# EAGLE board Mk4 Final a Panel score 2x5 (EAGLE 9.0.1), part 25 of 29
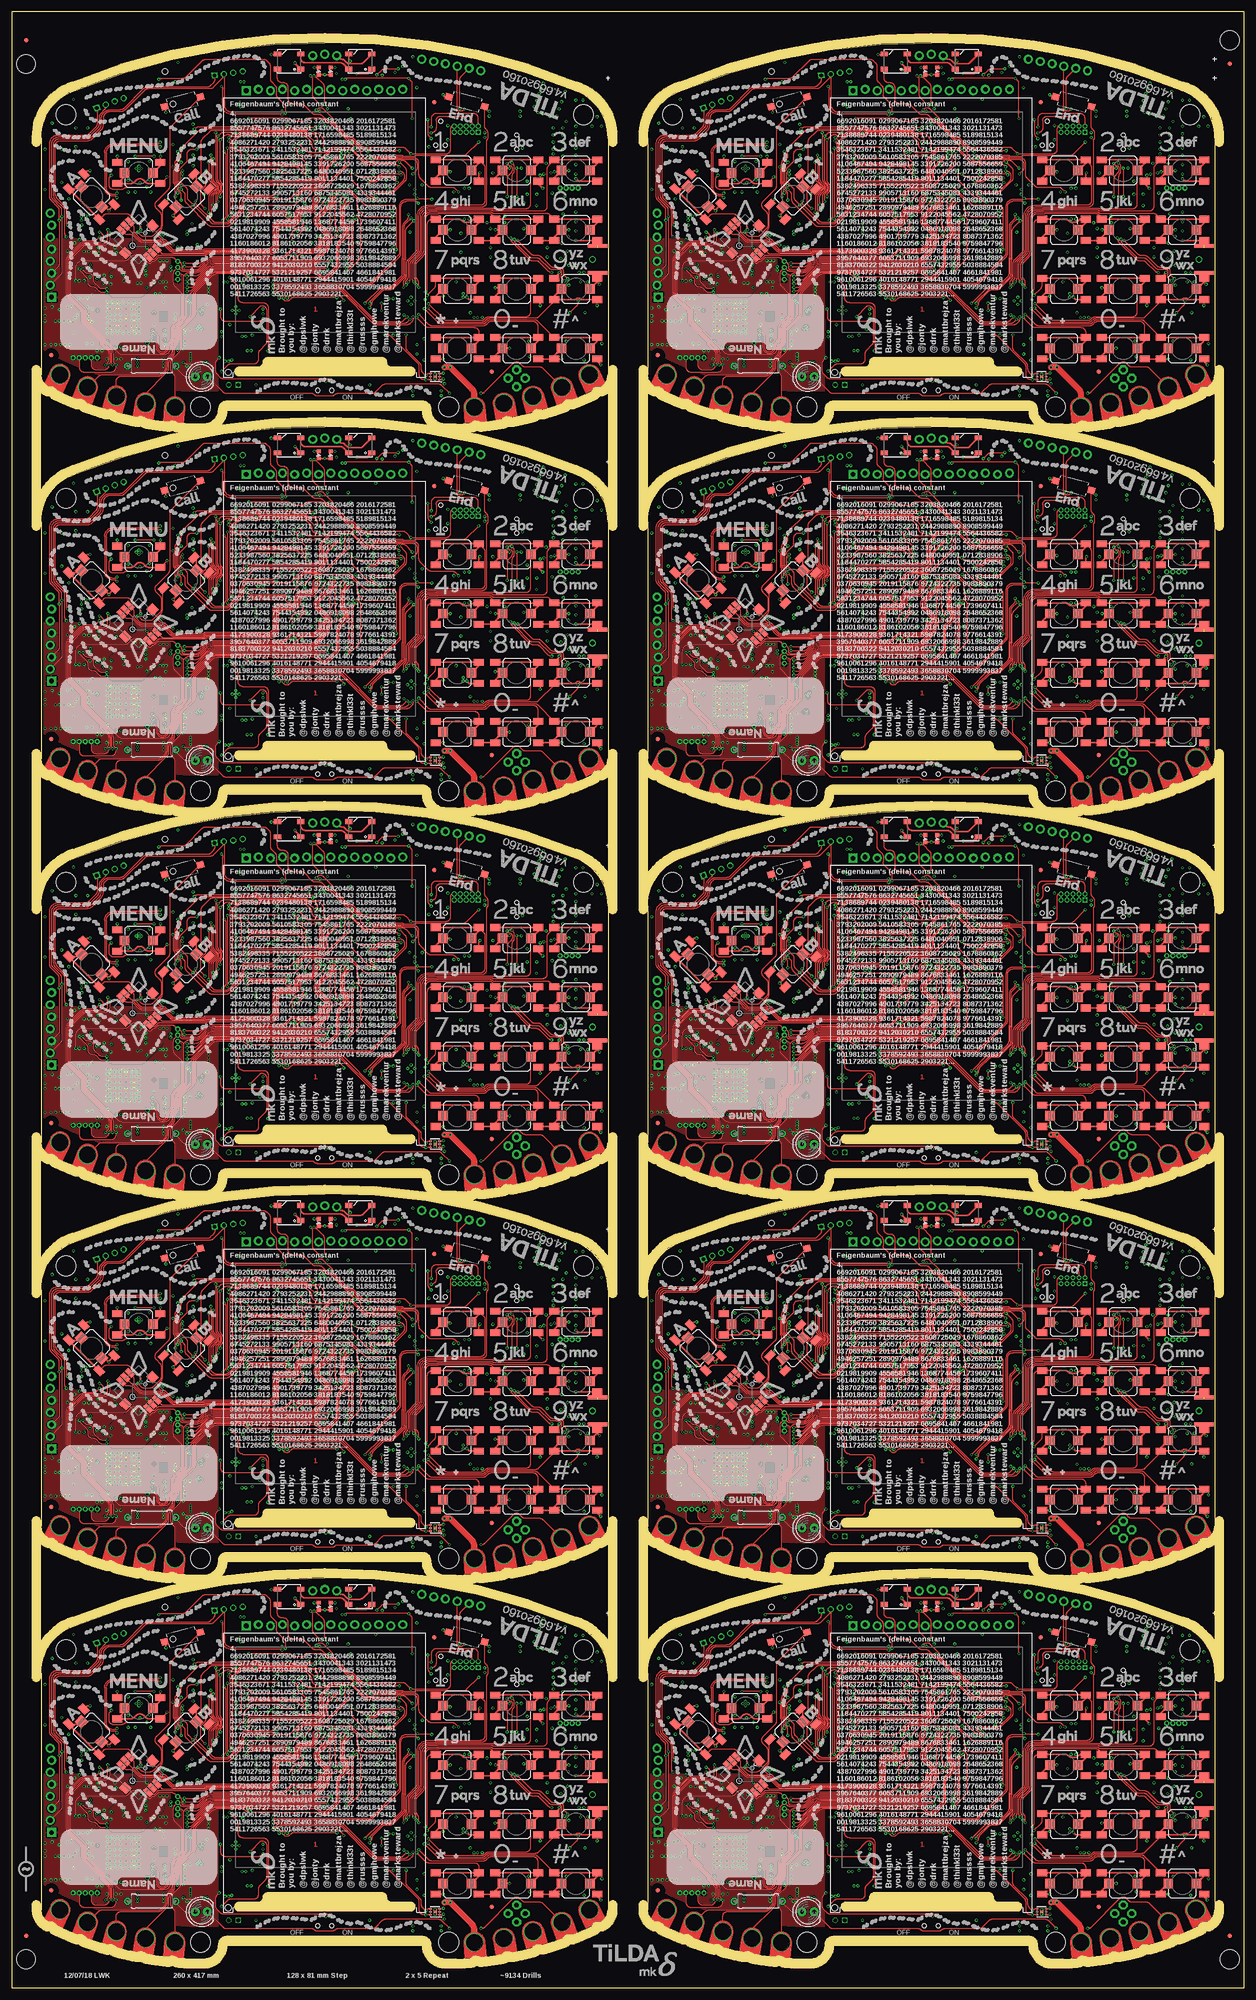
[diagram p0: board, top side]
## Tracks (layer width: path | path; a pad name or v marks a point on that pad's centre or on a via) (continued)
SSI2_CC_MOSI3  (via drill 0.3) (continued)
  Top 0.15: v165,116.6 166.45,116.6 169.47,119.61 arc-45 170.88,120.2 193.89,120.2 arc45 v194.59,120.49 v194.6,120.5 | v200,131 200.5,131 arc-90 201.5,130 201.5,122.31 arc-45 201.21,121.61 v198.6,119
  Bottom 0.15: IC65.6 152.75,104.91 arc45 153.04,104.21 154.23,103.02 arc45 155.12,102.65 158.75,102.65 158.78,102.62 160.4,102.62 arc90 161.4,103.62 161.4,105.45 arc-45 161.84,106.51 163.26,107.94 arc45 163.7,109 163.7,114.89 arc-45 163.99,115.59 v165,116.6 | IC56.2 199.8,131.48 arc45 v200,131 | v194.6,120.5 arc90 194,119.9 arc90 194.9,119 v198.6,119
SSI2_CC_MOSI4  (via drill 0.3)
  Top 0.15: v37,197.6 38.45,197.6 41.47,200.61 arc-45 42.88,201.2 65.89,201.2 arc45 v66.59,201.49 v66.6,201.5 | v72,212 72.5,212 arc-90 73.5,211 73.5,203.31 arc-45 73.21,202.61 v70.6,200
  Bottom 0.15: IC83.6 24.75,185.91 arc45 25.04,185.21 26.23,184.02 arc45 27.12,183.65 30.75,183.65 30.78,183.62 32.4,183.62 arc90 33.4,184.62 33.4,186.45 arc-45 33.84,187.51 35.26,188.94 arc45 35.7,190 35.7,195.89 arc-45 35.99,196.59 v37,197.6 | IC74.2 71.8,212.48 arc45 v72,212 | v66.6,201.5 arc90 66,200.9 arc90 66.9,200 v70.6,200
SSI2_CC_MOSI5  (via drill 0.3)
  Top 0.15: v165,197.6 166.45,197.6 169.47,200.61 arc-45 170.88,201.2 193.89,201.2 arc45 v194.59,201.49 v194.6,201.5 | v200,212 200.5,212 arc-90 201.5,211 201.5,203.31 arc-45 201.21,202.61 v198.6,200
  Bottom 0.15: IC101.6 152.75,185.91 arc45 153.04,185.21 154.23,184.02 arc45 155.12,183.65 158.75,183.65 158.78,183.62 160.4,183.62 arc90 161.4,184.62 161.4,186.45 arc-45 161.84,187.51 163.26,188.94 arc45 163.7,190 163.7,195.89 arc-45 163.99,196.59 v165,197.6 | IC92.2 199.8,212.48 arc45 v200,212 | v194.6,201.5 arc90 194,200.9 arc90 194.9,200 v198.6,200
SSI2_CC_MOSI6  (via drill 0.3)
  Top 0.15: v37,278.6 38.45,278.6 41.47,281.61 arc-45 42.88,282.2 65.89,282.2 arc45 v66.59,282.49 v66.6,282.5 | v72,293 72.5,293 arc-90 73.5,292 73.5,284.31 arc-45 73.21,283.61 v70.6,281
  Bottom 0.15: IC119.6 24.75,266.91 arc45 25.04,266.21 26.23,265.02 arc45 27.12,264.65 30.75,264.65 30.78,264.62 32.4,264.62 arc90 33.4,265.62 33.4,267.45 arc-45 33.84,268.51 35.26,269.94 arc45 35.7,271 35.7,276.89 arc-45 35.99,277.59 v37,278.6 | IC110.2 71.8,293.48 arc45 v72,293 | v66.6,282.5 arc90 66,281.9 arc90 66.9,281 v70.6,281
SSI2_CC_MOSI7  (via drill 0.3)
  Top 0.15: v165,278.6 166.45,278.6 169.47,281.61 arc-45 170.88,282.2 193.89,282.2 arc45 v194.59,282.49 v194.6,282.5 | v200,293 200.5,293 arc-90 201.5,292 201.5,284.31 arc-45 201.21,283.61 v198.6,281
  Bottom 0.15: IC137.6 152.75,266.91 arc45 153.04,266.21 154.23,265.02 arc45 155.12,264.65 158.75,264.65 158.78,264.62 160.4,264.62 arc90 161.4,265.62 161.4,267.45 arc-45 161.84,268.51 163.26,269.94 arc45 163.7,271 163.7,276.89 arc-45 163.99,277.59 v165,278.6 | IC128.2 199.8,293.48 arc45 v200,293 | v194.6,282.5 arc90 194,281.9 arc90 194.9,281 v198.6,281
SSI2_CC_MOSI8  (via drill 0.3)
  Top 0.15: v37,359.6 38.45,359.6 41.47,362.61 arc-45 42.88,363.2 65.89,363.2 arc45 v66.59,363.49 v66.6,363.5 | v72,374 72.5,374 arc-90 73.5,373 73.5,365.31 arc-45 73.21,364.61 v70.6,362
  Bottom 0.15: IC155.6 24.75,347.91 arc45 25.04,347.21 26.23,346.02 arc45 27.12,345.65 30.75,345.65 30.78,345.62 32.4,345.62 arc90 33.4,346.62 33.4,348.45 arc-45 33.84,349.51 35.26,350.94 arc45 35.7,352 35.7,357.89 arc-45 35.99,358.59 v37,359.6 | IC146.2 71.8,374.48 arc45 v72,374 | v66.6,363.5 arc90 66,362.9 arc90 66.9,362 v70.6,362
SSI2_CC_MOSI9  (via drill 0.3)
  Top 0.15: v165,359.6 166.45,359.6 169.47,362.61 arc-45 170.88,363.2 193.89,363.2 arc45 v194.59,363.49 v194.6,363.5 | v200,374 200.5,374 arc-90 201.5,373 201.5,365.31 arc-45 201.21,364.61 v198.6,362
  Bottom 0.15: IC173.6 152.75,347.91 arc45 153.04,347.21 154.23,346.02 arc45 155.12,345.65 158.75,345.65 158.78,345.62 160.4,345.62 arc90 161.4,346.62 161.4,348.45 arc-45 161.84,349.51 163.26,350.94 arc45 163.7,352 163.7,357.89 arc-45 163.99,358.59 v165,359.6 | IC164.2 199.8,374.48 arc45 v200,374 | v194.6,363.5 arc90 194,362.9 arc90 194.9,362 v198.6,362
SSI3_CLK
  Bottom 0.15: IC6.6 75.33,48.5 71.35,48.5 arc-90 70.6,49.25 IC1.5
SSI3_CLK1
  Bottom 0.15: IC22.6 203.33,48.5 199.35,48.5 arc-90 198.6,49.25 IC20.5
SSI3_CLK2
  Bottom 0.15: IC40.6 75.33,129.5 71.35,129.5 arc-90 70.6,130.25 IC38.5
SSI3_CLK3
  Bottom 0.15: IC58.6 203.33,129.5 199.35,129.5 arc-90 198.6,130.25 IC56.5
SSI3_CLK4
  Bottom 0.15: IC76.6 75.33,210.5 71.35,210.5 arc-90 70.6,211.25 IC74.5
SSI3_CLK5
  Bottom 0.15: IC94.6 203.33,210.5 199.35,210.5 arc-90 198.6,211.25 IC92.5
SSI3_CLK6
  Bottom 0.15: IC112.6 75.33,291.5 71.35,291.5 arc-90 70.6,292.25 IC110.5
SSI3_CLK7
  Bottom 0.15: IC130.6 203.33,291.5 199.35,291.5 arc-90 198.6,292.25 IC128.5
SSI3_CLK8
  Bottom 0.15: IC148.6 75.33,372.5 71.35,372.5 arc-90 70.6,373.25 IC146.5
SSI3_CLK9
  Bottom 0.15: IC166.6 203.33,372.5 199.35,372.5 arc-90 198.6,373.25 IC164.5
SSI3_DAT0  (via drill 0.3)
  Top 0.15: v68.7,53.2 68.6,53.1 arc45 68.45,52.74 68.45,52.56 arc-45 68.3,52.2 arc45 68.2,51.95 68.2,48.41 arc45 68.49,47.71 68.51,47.69 arc-45 68.8,46.99 68.8,46.44 arc-45 v68.7,46.2
  Bottom 0.15: IC1.11 68.2,51.95 arc-45 68.3,52.2 arc45 68.45,52.56 68.45,52.74 arc-45 68.6,53.1 v68.7,53.2 | IC6.5 71.57,47.24 arc45 70.86,46.95 70.4,46.49 arc-45 69.7,46.2 v68.7,46.2
SSI3_DAT1  (via drill 0.3)
  Top 0.15: v80.3,49.8 74.67,49.8 arc-45 73.97,50.09 73.09,50.97 arc-45 72.8,51.67 72.8,53.09 arc45 72.51,53.79 71.39,54.91 arc45 70.69,55.2 64.01,55.2 arc45 63.31,54.91 62.09,53.69 arc45 61.8,52.99 v61.8,52.6
  Bottom 0.15: IC1.27 v61.8,52.6 | IC6.2 80.31,49.78 v80.3,49.8
SSI3_DAT2  (via drill 0.3)
  Top 0.15: v208.3,49.8 202.67,49.8 arc-45 201.97,50.09 201.09,50.97 arc-45 200.8,51.67 200.8,53.09 arc45 200.51,53.79 199.39,54.91 arc45 198.69,55.2 192.01,55.2 arc45 191.31,54.91 190.09,53.69 arc45 189.8,52.99 v189.8,52.6
  Bottom 0.15: IC20.27 v189.8,52.6 | IC22.2 208.31,49.78 v208.3,49.8
SSI3_DAT3  (via drill 0.3)
  Top 0.15: v196.7,53.2 196.6,53.1 arc45 196.45,52.74 196.45,52.56 arc-45 196.3,52.2 arc45 196.2,51.95 196.2,48.41 arc45 196.49,47.71 196.51,47.69 arc-45 196.8,46.99 196.8,46.44 arc-45 v196.7,46.2
  Bottom 0.15: IC20.11 196.2,51.95 arc-45 196.3,52.2 arc45 196.45,52.56 196.45,52.74 arc-45 196.6,53.1 v196.7,53.2 | IC22.5 199.57,47.24 arc45 198.86,46.95 198.4,46.49 arc-45 197.7,46.2 v196.7,46.2
SSI3_DAT4  (via drill 0.3)
  Top 0.15: v80.3,130.8 74.67,130.8 arc-45 73.97,131.09 73.09,131.97 arc-45 72.8,132.67 72.8,134.09 arc45 72.51,134.79 71.39,135.91 arc45 70.69,136.2 64.01,136.2 arc45 63.31,135.91 62.09,134.69 arc45 61.8,133.99 v61.8,133.6
  Bottom 0.15: IC38.27 v61.8,133.6 | IC40.2 80.31,130.78 v80.3,130.8
SSI3_DAT5  (via drill 0.3)
  Top 0.15: v68.7,134.2 68.6,134.1 arc45 68.45,133.74 68.45,133.56 arc-45 68.3,133.2 arc45 68.2,132.95 68.2,129.41 arc45 68.49,128.71 68.51,128.69 arc-45 68.8,127.99 68.8,127.44 arc-45 v68.7,127.2
  Bottom 0.15: IC38.11 68.2,132.95 arc-45 68.3,133.2 arc45 68.45,133.56 68.45,133.74 arc-45 68.6,134.1 v68.7,134.2 | IC40.5 71.57,128.25 arc45 70.86,127.95 70.4,127.49 arc-45 69.7,127.2 v68.7,127.2
SSI3_DAT6  (via drill 0.3)
  Top 0.15: v208.3,130.8 202.67,130.8 arc-45 201.97,131.09 201.09,131.97 arc-45 200.8,132.67 200.8,134.09 arc45 200.51,134.79 199.39,135.91 arc45 198.69,136.2 192.01,136.2 arc45 191.31,135.91 190.09,134.69 arc45 189.8,133.99 v189.8,133.6
  Bottom 0.15: IC56.27 v189.8,133.6 | IC58.2 208.31,130.78 v208.3,130.8
SSI3_DAT7  (via drill 0.3)
  Top 0.15: v196.7,134.2 196.6,134.1 arc45 196.45,133.74 196.45,133.56 arc-45 196.3,133.2 arc45 196.2,132.95 196.2,129.41 arc45 196.49,128.71 196.51,128.69 arc-45 196.8,127.99 196.8,127.44 arc-45 v196.7,127.2
  Bottom 0.15: IC56.11 196.2,132.95 arc-45 196.3,133.2 arc45 196.45,133.56 196.45,133.74 arc-45 196.6,134.1 v196.7,134.2 | IC58.5 199.57,128.25 arc45 198.86,127.95 198.4,127.49 arc-45 197.7,127.2 v196.7,127.2
SSI3_DAT8  (via drill 0.3)
  Top 0.15: v80.3,211.8 74.67,211.8 arc-45 73.97,212.09 73.09,212.97 arc-45 72.8,213.67 72.8,215.09 arc45 72.51,215.79 71.39,216.91 arc45 70.69,217.2 64.01,217.2 arc45 63.31,216.91 62.09,215.69 arc45 61.8,214.99 v61.8,214.6
  Bottom 0.15: IC74.27 v61.8,214.6 | IC76.2 80.31,211.78 v80.3,211.8
SSI3_DAT9  (via drill 0.3)
  Top 0.15: v68.7,215.2 68.6,215.1 arc45 68.45,214.74 68.45,214.56 arc-45 68.3,214.2 arc45 68.2,213.95 68.2,210.41 arc45 68.49,209.71 68.51,209.69 arc-45 68.8,208.99 68.8,208.44 arc-45 v68.7,208.2
  Bottom 0.15: IC74.11 68.2,213.95 arc-45 68.3,214.2 arc45 68.45,214.56 68.45,214.74 arc-45 68.6,215.1 v68.7,215.2 | IC76.5 71.57,209.25 arc45 70.86,208.95 70.4,208.49 arc-45 69.7,208.2 v68.7,208.2
SSI3_DAT10  (via drill 0.3)
  Top 0.15: v208.3,211.8 202.67,211.8 arc-45 201.97,212.09 201.09,212.97 arc-45 200.8,213.67 200.8,215.09 arc45 200.51,215.79 199.39,216.91 arc45 198.69,217.2 192.01,217.2 arc45 191.31,216.91 190.09,215.69 arc45 189.8,214.99 v189.8,214.6
  Bottom 0.15: IC92.27 v189.8,214.6 | IC94.2 208.31,211.78 v208.3,211.8
SSI3_DAT11  (via drill 0.3)
  Top 0.15: v196.7,215.2 196.6,215.1 arc45 196.45,214.74 196.45,214.56 arc-45 196.3,214.2 arc45 196.2,213.95 196.2,210.41 arc45 196.49,209.71 196.51,209.69 arc-45 196.8,208.99 196.8,208.44 arc-45 v196.7,208.2
  Bottom 0.15: IC92.11 196.2,213.95 arc-45 196.3,214.2 arc45 196.45,214.56 196.45,214.74 arc-45 196.6,215.1 v196.7,215.2 | IC94.5 199.57,209.25 arc45 198.86,208.95 198.4,208.49 arc-45 197.7,208.2 v196.7,208.2
SSI3_DAT12  (via drill 0.3)
  Top 0.15: v80.3,292.8 74.67,292.8 arc-45 73.97,293.09 73.09,293.96 arc-45 72.8,294.67 72.8,296.09 arc45 72.51,296.79 71.39,297.91 arc45 70.69,298.2 64.01,298.2 arc45 63.31,297.91 62.09,296.69 arc45 61.8,295.99 v61.8,295.6
  Bottom 0.15: IC110.27 v61.8,295.6 | IC112.2 80.31,292.79 v80.3,292.8
SSI3_DAT13  (via drill 0.3)
  Top 0.15: v68.7,296.2 68.6,296.1 arc45 68.45,295.74 68.45,295.56 arc-45 68.3,295.2 arc45 68.2,294.95 68.2,291.41 arc45 68.49,290.71 68.51,290.69 arc-45 68.8,289.99 68.8,289.44 arc-45 v68.7,289.2
  Bottom 0.15: IC110.11 68.2,294.95 arc-45 68.3,295.2 arc45 68.45,295.56 68.45,295.74 arc-45 68.6,296.1 v68.7,296.2 | IC112.5 71.57,290.25 arc45 70.86,289.95 70.4,289.49 arc-45 69.7,289.2 v68.7,289.2
SSI3_DAT14  (via drill 0.3)
  Top 0.15: v208.3,292.8 202.67,292.8 arc-45 201.97,293.09 201.09,293.96 arc-45 200.8,294.67 200.8,296.09 arc45 200.51,296.79 199.39,297.91 arc45 198.69,298.2 192.01,298.2 arc45 191.31,297.91 190.09,296.69 arc45 189.8,295.99 v189.8,295.6
  Bottom 0.15: IC128.27 v189.8,295.6 | IC130.2 208.31,292.79 v208.3,292.8
SSI3_DAT15  (via drill 0.3)
  Top 0.15: v196.7,296.2 196.6,296.1 arc45 196.45,295.74 196.45,295.56 arc-45 196.3,295.2 arc45 196.2,294.95 196.2,291.41 arc45 196.49,290.71 196.51,290.69 arc-45 196.8,289.99 196.8,289.44 arc-45 v196.7,289.2
  Bottom 0.15: IC128.11 196.2,294.95 arc-45 196.3,295.2 arc45 196.45,295.56 196.45,295.74 arc-45 196.6,296.1 v196.7,296.2 | IC130.5 199.57,290.25 arc45 198.86,289.95 198.4,289.49 arc-45 197.7,289.2 v196.7,289.2
SSI3_DAT16  (via drill 0.3)
  Top 0.15: v80.3,373.8 74.67,373.8 arc-45 73.97,374.09 73.09,374.96 arc-45 72.8,375.67 72.8,377.09 arc45 72.51,377.79 71.39,378.91 arc45 70.69,379.2 64.01,379.2 arc45 63.31,378.91 62.09,377.69 arc45 61.8,376.99 v61.8,376.6
  Bottom 0.15: IC146.27 v61.8,376.6 | IC148.2 80.31,373.79 v80.3,373.8
SSI3_DAT17  (via drill 0.3)
  Top 0.15: v68.7,377.2 68.6,377.1 arc45 68.45,376.74 68.45,376.56 arc-45 68.3,376.2 arc45 68.2,375.95 68.2,372.41 arc45 68.49,371.71 68.51,371.69 arc-45 68.8,370.99 68.8,370.44 arc-45 v68.7,370.2
  Bottom 0.15: IC146.11 68.2,375.95 arc-45 68.3,376.2 arc45 68.45,376.56 68.45,376.74 arc-45 68.6,377.1 v68.7,377.2 | IC148.5 71.57,371.25 arc45 70.86,370.95 70.4,370.49 arc-45 69.7,370.2 v68.7,370.2
SSI3_DAT18  (via drill 0.3)
  Top 0.15: v208.3,373.8 202.67,373.8 arc-45 201.97,374.09 201.09,374.96 arc-45 200.8,375.67 200.8,377.09 arc45 200.51,377.79 199.39,378.91 arc45 198.69,379.2 192.01,379.2 arc45 191.31,378.91 190.09,377.69 arc45 189.8,376.99 v189.8,376.6
  Bottom 0.15: IC164.27 v189.8,376.6 | IC166.2 208.31,373.79 v208.3,373.8
SSI3_DAT19  (via drill 0.3)
  Top 0.15: v196.7,377.2 196.6,377.1 arc45 196.45,376.74 196.45,376.56 arc-45 196.3,376.2 arc45 196.2,375.95 196.2,372.41 arc45 196.49,371.71 196.51,371.69 arc-45 196.8,370.99 196.8,370.44 arc-45 v196.7,370.2
  Bottom 0.15: IC164.11 196.2,375.95 arc-45 196.3,376.2 arc45 196.45,376.56 196.45,376.74 arc-45 196.6,377.1 v196.7,377.2 | IC166.5 199.57,371.25 arc45 198.86,370.95 198.4,370.49 arc-45 197.7,370.2 v196.7,370.2
SSI3_FSS  (via drill 0.3)
  3V3@2 0.15: v77.6,48.2 77.6,48.6 77.6,48.7 79.95,51.05 v80.25,51.05
  Bottom 0.15: IC1.6 70.2,48.9 arc90 71.2,47.9 76.49,47.9 arc45 76.85,48.05 76.85,48.05 arc-45 77.21,48.2 v77.6,48.2 | v80.25,51.05 IC6.1
SSI3_FSS1  (via drill 0.3)
  3V3@2 0.15: v205.6,48.2 205.6,48.6 205.6,48.7 207.96,51.05 v208.25,51.05
  Bottom 0.15: IC20.6 198.2,48.9 arc90 199.2,47.9 204.49,47.9 arc45 204.85,48.05 204.85,48.05 arc-45 205.21,48.2 v205.6,48.2 | v208.25,51.05 IC22.1
SSI3_FSS2  (via drill 0.3)
  3V3@2 0.15: v77.6,129.2 77.6,129.6 77.6,129.7 79.95,132.06 v80.25,132.06
  Bottom 0.15: IC38.6 70.2,129.9 arc90 71.2,128.9 76.49,128.9 arc45 76.85,129.05 76.85,129.05 arc-45 77.21,129.2 v77.6,129.2 | v80.25,132.06 IC40.1
SSI3_FSS3  (via drill 0.3)
  3V3@2 0.15: v205.6,129.2 205.6,129.6 205.6,129.7 207.96,132.06 v208.25,132.06
  Bottom 0.15: IC56.6 198.2,129.9 arc90 199.2,128.9 204.49,128.9 arc45 204.85,129.05 204.85,129.05 arc-45 205.21,129.2 v205.6,129.2 | v208.25,132.06 IC58.1
SSI3_FSS4  (via drill 0.3)
  3V3@2 0.15: v77.6,210.2 77.6,210.6 77.6,210.7 79.95,213.06 v80.25,213.06
  Bottom 0.15: IC74.6 70.2,210.9 arc90 71.2,209.9 76.49,209.9 arc45 76.85,210.05 76.85,210.05 arc-45 77.21,210.2 v77.6,210.2 | v80.25,213.06 IC76.1
SSI3_FSS5  (via drill 0.3)
  3V3@2 0.15: v205.6,210.2 205.6,210.6 205.6,210.7 207.96,213.06 v208.25,213.06
  Bottom 0.15: IC92.6 198.2,210.9 arc90 199.2,209.9 204.49,209.9 arc45 204.85,210.05 204.85,210.05 arc-45 205.21,210.2 v205.6,210.2 | v208.25,213.06 IC94.1
SSI3_FSS6  (via drill 0.3)
  3V3@2 0.15: v77.6,291.2 77.6,291.6 77.6,291.7 79.95,294.06 v80.25,294.06
  Bottom 0.15: IC110.6 70.2,291.9 arc90 71.2,290.9 76.49,290.9 arc45 76.85,291.05 76.85,291.05 arc-45 77.21,291.2 v77.6,291.2 | v80.25,294.06 IC112.1
SSI3_FSS7  (via drill 0.3)
  3V3@2 0.15: v205.6,291.2 205.6,291.6 205.6,291.7 207.96,294.06 v208.25,294.06
  Bottom 0.15: IC128.6 198.2,291.9 arc90 199.2,290.9 204.49,290.9 arc45 204.85,291.05 204.85,291.05 arc-45 205.21,291.2 v205.6,291.2 | v208.25,294.06 IC130.1
SSI3_FSS8  (via drill 0.3)
  3V3@2 0.15: v77.6,372.2 77.6,372.6 77.6,372.7 79.95,375.06 v80.25,375.06
  Bottom 0.15: IC146.6 70.2,372.9 arc90 71.2,371.9 76.49,371.9 arc45 76.85,372.05 76.85,372.05 arc-45 77.21,372.2 v77.6,372.2 | v80.25,375.06 IC148.1
SSI3_FSS9  (via drill 0.3)
  3V3@2 0.15: v205.6,372.2 205.6,372.6 205.6,372.7 207.96,375.06 v208.25,375.06
  Bottom 0.15: IC164.6 198.2,372.9 arc90 199.2,371.9 204.49,371.9 arc45 204.85,372.05 204.85,372.05 arc-45 205.21,372.2 v205.6,372.2 | v208.25,375.06 IC166.1
SW
  Bottom 0.25: IC9.6 39.1,20.35
  Bottom 0.5: 39.1,20.35 L4.1
SW1
  Bottom 0.25: IC33.6 167.1,20.35
  Bottom 0.5: 167.1,20.35 L11.1
SW2
  Bottom 0.25: IC51.6 39.1,101.35
  Bottom 0.5: 39.1,101.35 L20.1
SW3
  Bottom 0.25: IC69.6 167.1,101.35
  Bottom 0.5: 167.1,101.35 L29.1
SW4
  Bottom 0.25: IC87.6 39.1,182.35
  Bottom 0.5: 39.1,182.35 L38.1
SW5
  Bottom 0.25: IC105.6 167.1,182.35
  Bottom 0.5: 167.1,182.35 L47.1
SW6
  Bottom 0.25: IC123.6 39.1,263.35
  Bottom 0.5: 39.1,263.35 L56.1
SW7
  Bottom 0.25: IC141.6 167.1,263.35
  Bottom 0.5: 167.1,263.35 L65.1
SW8
  Bottom 0.25: IC159.6 39.1,344.35
  Bottom 0.5: 39.1,344.35 L74.1
SW9
  Bottom 0.25: IC177.6 167.1,344.35
  Bottom 0.5: 167.1,344.35 L83.1
SWCLK  (via drill 0.3)
  Top 0.2: J3.4 97.17,70 arc90 96.17,71 90.5,71 arc90 89.5,70 89.5,68.45 arc-90 88.55,67.5 v88.5,67.45
  Bottom 0.2: IC1.100 76.59,64 arc45 77.29,64.29 78.21,65.21 arc-45 78.91,65.5 84.69,65.5 arc45 85.39,65.79 86.76,67.16 arc-45 87.46,67.45 v88.5,67.45 88.59,67.36 JP4.4
SWCLK1  (via drill 0.3)
  Top 0.2: J13.4 225.17,70 arc90 224.17,71 218.5,71 arc90 217.5,70 217.5,68.45 arc-90 216.55,67.5 v216.5,67.45
  Bottom 0.2: IC20.100 204.59,64 arc45 205.29,64.29 206.21,65.21 arc-45 206.91,65.5 212.69,65.5 arc45 213.39,65.79 214.76,67.16 arc-45 215.46,67.45 v216.5,67.45 216.59,67.36 JP10.4
SWCLK2  (via drill 0.3)
  Top 0.2: J23.4 97.17,151 arc90 96.17,152 90.5,152 arc90 89.5,151 89.5,149.45 arc-90 88.55,148.5 v88.5,148.45
  Bottom 0.2: IC38.100 76.59,145 arc45 77.29,145.29 78.21,146.21 arc-45 78.91,146.5 84.69,146.5 arc45 85.39,146.79 86.76,148.16 arc-45 87.46,148.45 v88.5,148.45 88.59,148.36 JP19.4
SWCLK3  (via drill 0.3)
  Top 0.2: J33.4 225.17,151 arc90 224.17,152 218.5,152 arc90 217.5,151 217.5,149.45 arc-90 216.55,148.5 v216.5,148.45
  Bottom 0.2: IC56.100 204.59,145 arc45 205.29,145.29 206.21,146.21 arc-45 206.91,146.5 212.69,146.5 arc45 213.39,146.79 214.76,148.16 arc-45 215.46,148.45 v216.5,148.45 216.59,148.36 JP28.4
SWCLK4  (via drill 0.3)
  Top 0.2: J43.4 97.17,232 arc90 96.17,233 90.5,233 arc90 89.5,232 89.5,230.45 arc-90 88.55,229.5 v88.5,229.45
  Bottom 0.2: IC74.100 76.59,226 arc45 77.29,226.29 78.21,227.21 arc-45 78.91,227.5 84.69,227.5 arc45 85.39,227.79 86.76,229.16 arc-45 87.46,229.45 v88.5,229.45 88.59,229.36 JP37.4
SWCLK5  (via drill 0.3)
  Top 0.2: J53.4 225.17,232 arc90 224.17,233 218.5,233 arc90 217.5,232 217.5,230.45 arc-90 216.55,229.5 v216.5,229.45
  Bottom 0.2: IC92.100 204.59,226 arc45 205.29,226.29 206.21,227.21 arc-45 206.91,227.5 212.69,227.5 arc45 213.39,227.79 214.76,229.16 arc-45 215.46,229.45 v216.5,229.45 216.59,229.36 JP46.4
SWCLK6  (via drill 0.3)
  Top 0.2: J63.4 97.17,313 arc90 96.17,314 90.5,314 arc90 89.5,313 89.5,311.45 arc-90 88.55,310.5 v88.5,310.45
  Bottom 0.2: IC110.100 76.59,307 arc45 77.29,307.29 78.21,308.21 arc-45 78.91,308.5 84.69,308.5 arc45 85.39,308.79 86.76,310.16 arc-45 87.46,310.45 v88.5,310.45 88.59,310.36 JP55.4
SWCLK7  (via drill 0.3)
  Top 0.2: J73.4 225.17,313 arc90 224.17,314 218.5,314 arc90 217.5,313 217.5,311.45 arc-90 216.55,310.5 v216.5,310.45
  Bottom 0.2: IC128.100 204.59,307 arc45 205.29,307.29 206.21,308.21 arc-45 206.91,308.5 212.69,308.5 arc45 213.39,308.79 214.76,310.16 arc-45 215.46,310.45 v216.5,310.45 216.59,310.36 JP64.4
SWCLK8  (via drill 0.3)
  Top 0.2: J83.4 97.17,394 arc90 96.17,395 90.5,395 arc90 89.5,394 89.5,392.45 arc-90 88.55,391.5 v88.5,391.45
  Bottom 0.2: IC146.100 76.59,388 arc45 77.29,388.29 78.21,389.21 arc-45 78.91,389.5 84.69,389.5 arc45 85.39,389.79 86.76,391.16 arc-45 87.46,391.45 v88.5,391.45 88.59,391.36 JP73.4
SWCLK9  (via drill 0.3)
  Top 0.2: J93.4 225.17,394 arc90 224.17,395 218.5,395 arc90 217.5,394 217.5,392.45 arc-90 216.55,391.5 v216.5,391.45
  Bottom 0.2: IC164.100 204.59,388 arc45 205.29,388.29 206.21,389.21 arc-45 206.91,389.5 212.69,389.5 arc45 213.39,389.79 214.76,391.16 arc-45 215.46,391.45 v216.5,391.45 216.59,391.36 JP82.4
SWDIO  (via drill 0.3)
  Top 0.2: J3.2 98.44,70.5 arc90 97.44,71.5 89.5,71.5 arc90 88.5,70.5 v88.5,68.7
  Bottom 0.2: IC1.99 76.49,64.4 arc45 77.19,64.69 78.06,65.56 arc-45 78.76,65.85 84.44,65.85 arc45 85.14,66.14 87.41,68.41 arc-45 88.11,68.7 v88.5,68.7 88.57,68.63 JP4.2
SWDIO1  (via drill 0.3)
  Top 0.2: J13.2 226.44,70.5 arc90 225.44,71.5 217.5,71.5 arc90 216.5,70.5 v216.5,68.7
  Bottom 0.2: IC20.99 204.49,64.4 arc45 205.19,64.69 206.06,65.56 arc-45 206.76,65.85 212.44,65.85 arc45 213.14,66.14 215.41,68.41 arc-45 216.11,68.7 v216.5,68.7 216.57,68.63 JP10.2
SWDIO2  (via drill 0.3)
  Top 0.2: J23.2 98.44,151.5 arc90 97.44,152.5 89.5,152.5 arc90 88.5,151.5 v88.5,149.7
  Bottom 0.2: IC38.99 76.49,145.4 arc45 77.19,145.69 78.06,146.56 arc-45 78.76,146.85 84.44,146.85 arc45 85.14,147.14 87.41,149.41 arc-45 88.11,149.7 v88.5,149.7 88.57,149.63 JP19.2
SWDIO3  (via drill 0.3)
  Top 0.2: J33.2 226.44,151.5 arc90 225.44,152.5 217.5,152.5 arc90 216.5,151.5 v216.5,149.7
  Bottom 0.2: IC56.99 204.49,145.4 arc45 205.19,145.69 206.06,146.56 arc-45 206.76,146.85 212.44,146.85 arc45 213.14,147.14 215.41,149.41 arc-45 216.11,149.7 v216.5,149.7 216.57,149.63 JP28.2
SWDIO4  (via drill 0.3)
  Top 0.2: J43.2 98.44,232.5 arc90 97.44,233.5 89.5,233.5 arc90 88.5,232.5 v88.5,230.7
  Bottom 0.2: IC74.99 76.49,226.4 arc45 77.19,226.69 78.06,227.56 arc-45 78.76,227.85 84.44,227.85 arc45 85.14,228.14 87.41,230.41 arc-45 88.11,230.7 v88.5,230.7 88.57,230.63 JP37.2
SWDIO5  (via drill 0.3)
  Top 0.2: J53.2 226.44,232.5 arc90 225.44,233.5 217.5,233.5 arc90 216.5,232.5 v216.5,230.7
  Bottom 0.2: IC92.99 204.49,226.4 arc45 205.19,226.69 206.06,227.56 arc-45 206.76,227.85 212.44,227.85 arc45 213.14,228.14 215.41,230.41 arc-45 216.11,230.7 v216.5,230.7 216.57,230.63 JP46.2
SWDIO6  (via drill 0.3)
  Top 0.2: J63.2 98.44,313.5 arc90 97.44,314.5 89.5,314.5 arc90 88.5,313.5 v88.5,311.7
  Bottom 0.2: IC110.99 76.49,307.4 arc45 77.19,307.69 78.06,308.56 arc-45 78.76,308.85 84.44,308.85 arc45 85.14,309.14 87.41,311.41 arc-45 88.11,311.7 v88.5,311.7 88.57,311.63 JP55.2
SWDIO7  (via drill 0.3)
  Top 0.2: J73.2 226.44,313.5 arc90 225.44,314.5 217.5,314.5 arc90 216.5,313.5 v216.5,311.7
  Bottom 0.2: IC128.99 204.49,307.4 arc45 205.19,307.69 206.06,308.56 arc-45 206.76,308.85 212.44,308.85 arc45 213.14,309.14 215.41,311.41 arc-45 216.11,311.7 v216.5,311.7 216.57,311.63 JP64.2
SWDIO8  (via drill 0.3)
  Top 0.2: J83.2 98.44,394.5 arc90 97.44,395.5 89.5,395.5 arc90 88.5,394.5 v88.5,392.7
  Bottom 0.2: IC146.99 76.49,388.4 arc45 77.19,388.69 78.06,389.56 arc-45 78.76,389.85 84.44,389.85 arc45 85.14,390.14 87.41,392.41 arc-45 88.11,392.7 v88.5,392.7 88.57,392.63 JP73.2
SWDIO9  (via drill 0.3)
  Top 0.2: J93.2 226.44,394.5 arc90 225.44,395.5 217.5,395.5 arc90 216.5,394.5 v216.5,392.7
  Bottom 0.2: IC164.99 204.49,388.4 arc45 205.19,388.69 206.06,389.56 arc-45 206.76,389.85 212.44,389.85 arc45 213.14,390.14 215.41,392.41 arc-45 216.11,392.7 v216.5,392.7 216.57,392.63 JP82.2
SWO  (via drill 0.3)
  Top 0.2: v87.75,70.25 87.75,67.41 arc45 88.04,66.71 v88.5,66.25
  Bottom 0.2: J3.6 95.9,70.3 arc90 94.9,71.3 89.16,71.3 arc45 88.46,71.01 87.75,70.3 v87.75,70.25 87.75,69.75 84.89,66.89 arc-45 84.19,66.6 78.51,66.6 arc45 77.81,66.31 76.99,65.49 arc-45 76.29,65.2 75.78,65.2 arc-45 75.43,65.35 75.37,65.4 arc45 75.02,65.55 75,65.55 74.98,65.55 arc45 74.63,65.4 74.57,65.35 arc-45 74.22,65.2 IC1.97 | JP4.6 88.66,66.09 v88.5,66.25
SWO1  (via drill 0.3)
  Top 0.2: v215.75,70.25 215.75,67.41 arc45 216.04,66.71 v216.5,66.25
  Bottom 0.2: J13.6 223.9,70.3 arc90 222.9,71.3 217.16,71.3 arc45 216.46,71.01 215.75,70.3 v215.75,70.25 215.75,69.75 212.89,66.89 arc-45 212.19,66.6 206.51,66.6 arc45 205.81,66.31 204.99,65.49 arc-45 204.29,65.2 203.78,65.2 arc-45 203.43,65.35 203.37,65.4 arc45 203.02,65.55 203,65.55 202.98,65.55 arc45 202.63,65.4 202.57,65.35 arc-45 202.22,65.2 IC20.97 | JP10.6 216.66,66.09 v216.5,66.25
SWO2  (via drill 0.3)
  Top 0.2: v87.75,151.25 87.75,148.41 arc45 88.04,147.71 v88.5,147.25
  Bottom 0.2: J23.6 95.9,151.3 arc90 94.9,152.3 89.16,152.3 arc45 88.46,152.01 87.75,151.3 v87.75,151.25 87.75,150.75 84.89,147.89 arc-45 84.19,147.6 78.51,147.6 arc45 77.81,147.31 76.99,146.49 arc-45 76.29,146.2 75.78,146.2 arc-45 75.43,146.35 75.37,146.4 arc45 75.02,146.55 75,146.55 74.98,146.55 arc45 74.63,146.4 74.57,146.35 arc-45 74.22,146.2 IC38.97 | JP19.6 88.66,147.09 v88.5,147.25
SWO3  (via drill 0.3)
  Top 0.2: v215.75,151.25 215.75,148.41 arc45 216.04,147.71 v216.5,147.25
  Bottom 0.2: J33.6 223.9,151.3 arc90 222.9,152.3 217.16,152.3 arc45 216.46,152.01 215.75,151.3 v215.75,151.25 215.75,150.75 212.89,147.89 arc-45 212.19,147.6 206.51,147.6 arc45 205.81,147.31 204.99,146.49 arc-45 204.29,146.2 203.78,146.2 arc-45 203.43,146.35 203.37,146.4 arc45 203.02,146.55 203,146.55 202.98,146.55 arc45 202.63,146.4 202.57,146.35 arc-45 202.22,146.2 IC56.97 | JP28.6 216.66,147.09 v216.5,147.25
SWO4  (via drill 0.3)
  Top 0.2: v87.75,232.25 87.75,229.41 arc45 88.04,228.71 v88.5,228.25
  Bottom 0.2: J43.6 95.9,232.3 arc90 94.9,233.3 89.16,233.3 arc45 88.46,233.01 87.75,232.3 v87.75,232.25 87.75,231.75 84.89,228.89 arc-45 84.19,228.6 78.51,228.6 arc45 77.81,228.31 76.99,227.49 arc-45 76.29,227.2 75.78,227.2 arc-45 75.43,227.35 75.37,227.4 arc45 75.02,227.55 75,227.55 74.98,227.55 arc45 74.63,227.4 74.57,227.35 arc-45 74.22,227.2 IC74.97 | JP37.6 88.66,228.09 v88.5,228.25
SWO5  (via drill 0.3)
  Top 0.2: v215.75,232.25 215.75,229.41 arc45 216.04,228.71 v216.5,228.25
  Bottom 0.2: J53.6 223.9,232.3 arc90 222.9,233.3 217.16,233.3 arc45 216.46,233.01 215.75,232.3 v215.75,232.25 215.75,231.75 212.89,228.89 arc-45 212.19,228.6 206.51,228.6 arc45 205.81,228.31 204.99,227.49 arc-45 204.29,227.2 203.78,227.2 arc-45 203.43,227.35 203.37,227.4 arc45 203.02,227.55 203,227.55 202.98,227.55 arc45 202.63,227.4 202.57,227.35 arc-45 202.22,227.2 IC92.97 | JP46.6 216.66,228.09 v216.5,228.25